# Altium PCB VNGS01 V1.32.PcbDoc (part 2 of 2)
Units mm, origin at the board's own origin, x right, y up, seen from the top; angles counter-clockwise.
Board outline 55.23 x 93.12 mm, 4 copper layers (Top Layer, Signal Layer 1, Signal Layer 2, Bottom Layer), stack 1.586 mm thick; 186 components, 119 nets, 588 pads, 369 vias.
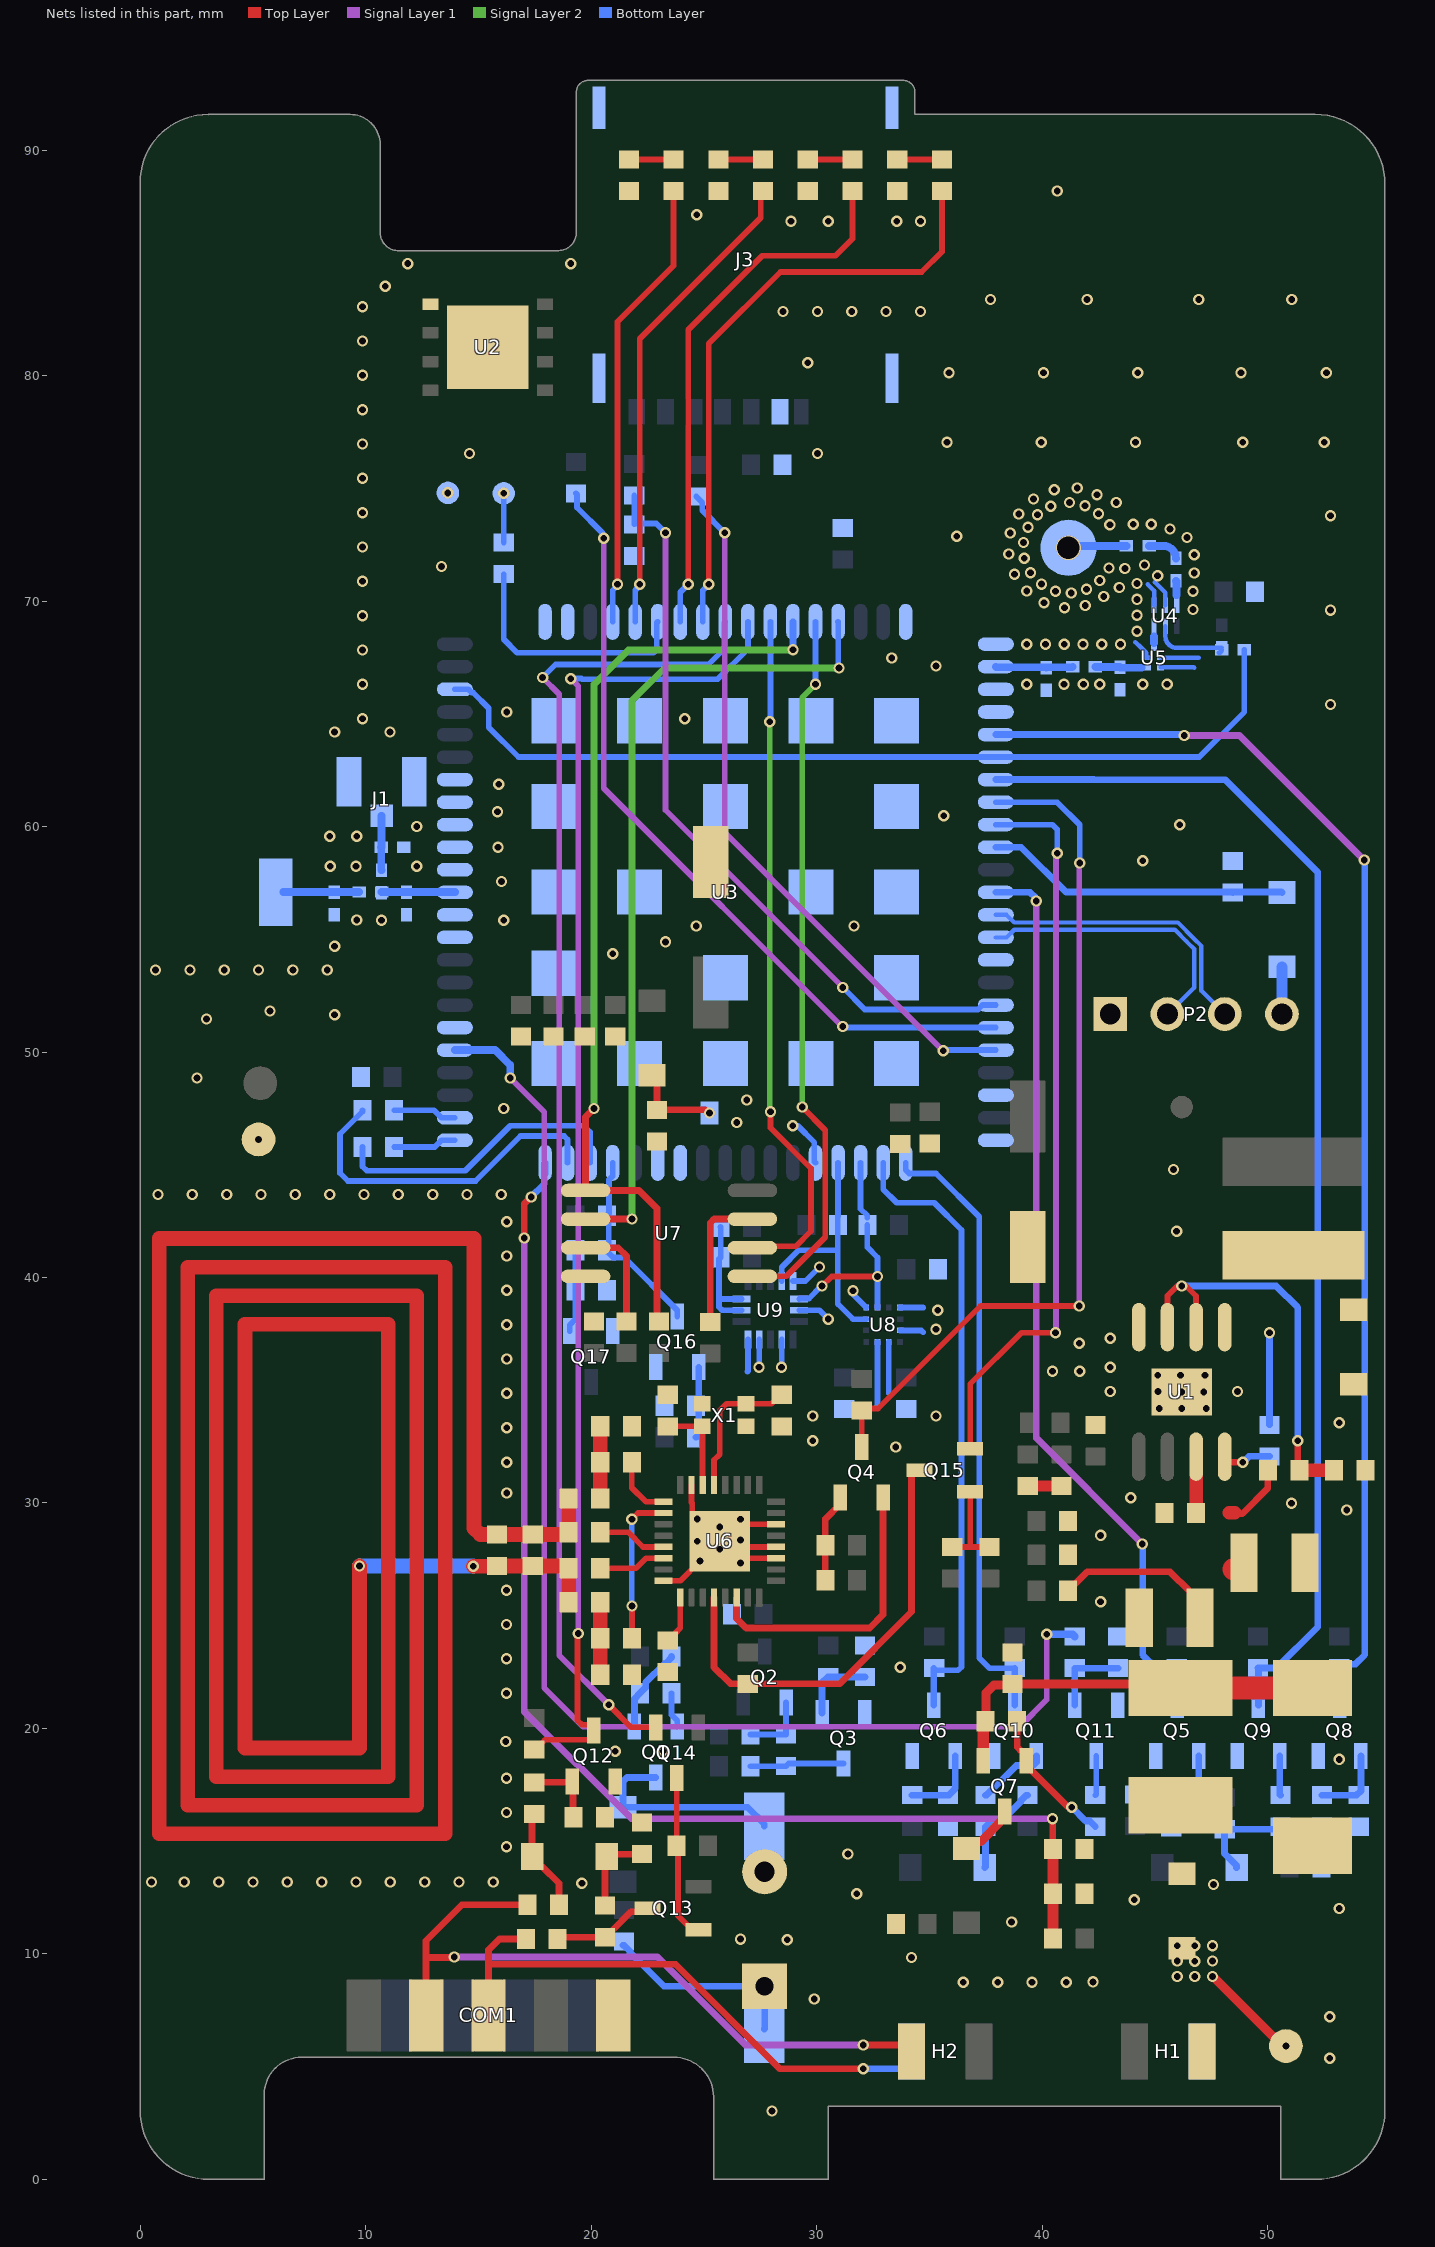
[diagram p4: the nets of this part, all layers, seen from the top]

## Via types
v1: diameter 0.5, hole 0.3, Top Layer to Bottom Layer, tented both sides, 368 vias
v2: diameter 0.5, hole 0.3, Top Layer to Bottom Layer, 1 vias

## Nets (pads, with @x,y where several pads share a name; then routed paths per layer and width w, separated by ;. In a path a pad name is that pad's centre, name@x,y a point inside that pad or via, vN(x,y) a via of type N, cw(c..) or ccw(c..) an arc to the next point about the centre after c; other vN are vias at no path point) (continued)
GND: C1.1 C3.1 C4.2 C6.1 C7.1 C9.1 C13.2 C14.1 C15.1 C16.1 C17.1 C18.1 C19.2 C20.1 C21.2 C22.1 C23.1 C25.1 C26.1 C27.2 C29.2 C30.1 C33.1 C34.2 C36.1 C39.2 C41.1 C42.1 C43.1 C44.1 C45.1 C46.1 C47.1 C48.1 C49.1 C50.1 C51.1 C54.2 COM1.5 D2.1 D3.1 D13.2 D14.2 D15.2 D16.2 GND2.0 GND.0 H1.4 J1.2 J3.5 J3.FR P2.1 Q1.2 Q3.2 Q5.2 Q6.2 Q8.2 Q9.2 Q10.2 Q11.2 Q12.2 Q16.2 Q17.2 R2.1 R10.1 R16.1 R19.1 R22.1 R37.1 R42.1 R43.1 R55.2 R59.1 R70.1 R72.1 R74.2 U1.8 U1.9 U2.1 U2.9 U3.1 U3.2 U3.17 U3.18 U3.29 U3.39 U3.45 U3.46 U3.54 U3.58 U3.59 U3.61 U3.62 U3.63 U3.64 U3.65 U3.69 U3.70 U3.71 U3.72 U3.73 U3.74 U3.75 U3.76 U3.77 U3.78 U3.79 U3.80 U3.81 U3.82 U3.83 U3.84 U3.85 U3.86 U3.87 U3.88 U3.89 U3.91 U3.92 U3.94 U4.1 U4.2 U5.2 U5.3 U5.5 U6.8 U6.19 U6.20 U6.22 U6.31 U6.33 U7.4 U8.1 U8.4 U8.6 U8.8 U8.9 U9.5 U9.7 U9.10 U9.12 U9.13 U9.15 U9.16 X1.2 X1.4 | length 45
  Top Layer w0.254: U6.8@23.2,26.55 23.954,26.55 v1(24.828,27.424) U6.33@25.702,28.299 ; U6.31@24.45,30.8 24.45,30.019 24.479,29.99 24.479,29.522 v1(24.708,29.293) U6.33@24.936,29.064 ; U6.33@24.962,29.09 25.702,28.351 U6.33@25.702,28.299 ; U6.19@28.2,27.55 26.45,27.55 U6.33@25.95,28.05 ; U6.20@28.2,28.05 U6.33@25.95,28.05 ; U6.22@28.2,29.05 26.453,29.05 U6.33@25.702,28.299 ; U6.33@25.702,28.299 U6.33@25.95,28.05
  Bottom Layer w0.2: 44.139,68.195 44.395,67.939 44.618,67.716 44.618,67.492 U5.5@44.681,67.492 ; 44.681,70.752 44.974,70.459 U4.1@44.974,69.828 ; 45.004,70.854 45.474,70.384 U4.2@45.474,69.828 ; U5.3@45.256,67.067 46.731,67.067 46.751,67.047 ; U5.2@45.256,67.492 46.961,67.492
  Bottom Layer w0.254: R19.1@23.565,21.56 23.565,20.599 23.815,20.349 Q1.2@23.815,20.074 ; C47.1@25.732,42.243 25.742,42.233 C48.1@25.742,40.9 25.665,40.823 25.665,39.071 ; U9.15@26.675,38.547 25.814,38.547 25.665,38.696 25.665,39.071 ; U9.16@26.675,39.048 25.688,39.048 25.665,39.071 ; 26.931,35.836 26.95,35.855 U9.13@26.95,37.247 ; v1(27.445,36.022) 27.45,36.027 U9.12@27.45,37.247 ; v1(28.446,36.022) 28.45,36.027 U9.10@28.45,37.247 ; v1(28.945,46.732) 29.162,46.732 29.899,45.994 29.899,45.141 U3.39@29.95,45.09 ; U9.5@28.95,39.848 29.5,39.848 v1(30.122,40.47) ; U9.7@29.225,38.547 30.122,38.547 v1(30.515,38.155) ; v1(31.61,39.415) 31.657,39.367 31.657,39.21 32.189,38.678 32.198,38.678 32.2,38.676 U8.1@32.2,38.667 ; 32.7,34.309 U8.9@32.7,37.142 ; 33.2,34.863 33.2,35.026 33.198,35.028 33.198,36.099 33.2,36.1 U8.8@33.2,37.142 ; U8.4@33.7,38.667 34.719,38.667 34.725,38.662 ; U8.6@33.712,37.655 34.642,37.655 34.725,37.572
  other v1: 28.018,3.027 52.768,5.364 52.768,7.204 29.898,7.997 36.509,8.739 38.032,8.739 39.555,8.739 41.078,8.739 42.258,8.752 34.212,9.832 28.699,10.623 26.626,10.649 38.65,11.408 53.187,12.009 44.093,12.397 31.784,12.658 47.61,13.067 19.585,13.128 0.486,13.188 1.948,13.182 3.471,13.182 4.994,13.182 6.518,13.182 8.041,13.182 9.564,13.182 11.087,13.182 12.61,13.182 14.133,13.182 15.656,13.182 31.386,14.429 16.237,14.745 16.237,16.268 16.237,17.791 53.187,18.623 21.067,18.988 23.2,18.988 16.208,19.418 16.237,21.56 33.709,22.708 16.237,23.083 16.237,24.606 42.599,25.612 16.237,26.129 26.626,27.338 25.702,27.95 24.708,28.299 26.626,28.351 42.599,28.561 25.702,28.936 26.626,29.275 53.517,29.684 51.072,29.99 43.94,30.233 16.256,30.442 16.256,31.8 33.512,32.483 29.828,32.757 16.256,33.34 53.187,33.556 29.828,33.858 35.296,33.858 45.201,34.187 46.2,34.187 47.281,34.187 16.256,34.863 46.2,34.925 47.178,34.925 43.025,34.941 45.143,34.941 48.668,34.941 45.133,35.666 46.14,35.666 47.225,35.666 40.467,35.845 41.671,35.845 43.025,36.022 16.256,36.386 41.656,37.082 43.025,37.309 35.296,37.704 16.256,37.909 35.375,38.552 16.256,39.433 16.256,40.956 45.971,42.058 16.256,42.479 0.781,43.681 2.304,43.681 3.827,43.681 5.35,43.681 6.873,43.681 8.397,43.681 9.92,43.681 11.443,43.681 12.966,43.681 14.489,43.681 16.012,43.681 45.835,44.793 5.24,46.125 26.453,46.878 16.118,47.5 26.902,47.873 2.513,48.848 2.929,51.473 8.615,51.654 5.744,51.825 0.671,53.645 2.194,53.645 3.717,53.645 5.24,53.645 6.763,53.645 8.287,53.645 20.95,54.361 8.615,54.701 23.29,54.892 24.663,55.6 31.657,55.6 9.596,55.86 10.7,55.846 16.118,55.846 16.015,57.574 8.424,58.244 9.559,58.244 12.257,58.244 44.472,58.488 15.863,59.092 8.395,59.582 9.596,59.582 12.263,60.011 46.107,60.089 35.641,60.492 15.842,60.665 15.895,61.89 8.615,64.205 11.069,64.205 9.855,64.795 24.146,64.795 16.256,65.09 52.801,65.426 9.855,66.318 39.32,66.32 40.977,66.32 41.834,66.32 42.565,66.32 44.472,66.32 45.55,66.32 35.296,67.127 33.33,67.482 9.855,67.841 39.32,68.1 40.152,68.1 40.983,68.1 41.815,68.1 42.646,68.1 43.478,68.1 44.209,68.676 9.855,69.364 44.209,69.382 52.801,69.61 46.701,69.637 40.994,69.714 41.915,69.814 40.089,69.94 44.209,70.087 42.735,70.212 41.297,70.367 40.601,70.447 39.32,70.457 46.701,70.447 41.976,70.536 43.431,70.615 39.977,70.764 44.209,70.793 9.855,70.887 42.561,70.92 45.128,71.138 38.775,71.206 46.751,71.258 39.493,71.269 43.675,71.455 42.976,71.484 13.357,71.546 44.55,71.607 39.215,71.912 46.751,72.069 38.521,72.104 9.855,72.41 39.18,72.611 46.433,72.83 36.211,72.885 38.587,73.028 45.678,73.206 39.377,73.283 43.009,73.394 44.046,73.416 44.85,73.416 52.801,73.795 39.797,73.843 38.966,73.874 42.507,73.881 9.855,73.934 40.386,74.221 41.907,74.243 41.222,74.386 43.289,74.384 39.618,74.541 42.44,74.726 13.639,74.812 40.545,74.947 41.565,75.023 9.855,75.457 14.601,76.563 30.034,76.563 9.855,76.98 35.78,77.054 39.965,77.054 44.149,77.054 48.901,77.054 52.518,77.054 9.855,78.503 9.855,80.026 35.877,80.138 40.061,80.138 44.246,80.138 48.827,80.138 52.615,80.138 29.61,80.581 9.855,81.549 28.511,82.855 30.034,82.855 31.557,82.855 33.081,82.855 34.604,82.855 9.855,83.072 37.709,83.387 42,83.387 46.953,83.387 51.083,83.387 10.864,83.978 11.857,84.983 19.096,84.983 28.86,86.866 30.513,86.866 33.55,86.866 34.604,86.862 24.676,87.15 40.67,88.2
GNSS_ANT: C54.1 R57.1 U5.4 | length 2.1
  Bottom Layer w0.345: R57.1@42.366,67.1 42.38,67.086 43.449,67.086 C54.1@43.463,67.072 43.478,67.057 44.423,67.057
GNSS_PWRCTRL: R7.1 U3.20 U3.98 | length 40.4
  Bottom Layer w0.254: U3.98@13.95,66.1 14.544,66.1 14.692,65.952 14.756,65.952 15.452,65.256 15.452,64.409 16.771,63.09 U3.20@37.95,63.09 46.977,63.09 48.977,65.09 48.977,67.85 R7.1@48.974,67.852
GNSS_VBKP: C20.2 D5.2 U3.116 | length 4.1
  Top Layer w0.3: D5.2@22.695,48.968 22.915,48.748 22.915,47.586 C20.2@23.058,47.443 ; C20.2@22.915,47.443 C20.2@23.058,47.443 ; v2(25.25,47.3) 25.196,47.3 25.053,47.443 C20.2@23.058,47.443
I2C_SCL: R34.1 U3.38 U8.12 U9.4 | length 11.1
  Bottom Layer w0.254: U9.4@28.45,39.848 28.45,40.46 29.206,41.216 30.942,41.216 ; R34.1@30.942,42.647 30.942,41.216 ; R34.1@30.95,42.705 U3.38@30.95,45.09 ; U8.12@32.187,38.155 31.61,38.155 30.942,38.823 30.942,41.216
I2C_SDA: R35.1 U3.37 U8.2 U9.6 | length 10.3
  Top Layer w0.254: v1(30.242,39.62) 30.673,40.051 v1(32.7,40.051)
  Bottom Layer w0.254: U9.6@29.225,39.048 29.248,39.071 29.659,39.071 30.209,39.62 v1(30.242,39.62) ; U3.37@31.95,45.09 31.95,43.047 32.25,42.747 R35.1@32.25,42.647 ; R35.1@32.25,42.329 32.25,41.343 32.7,40.893 v1(32.7,40.051) U8.2@32.7,38.667
LED_DRI: R67.2 U3.8 | length 27.2
  Top Layer w0.254: v1(25.215,70.758) 25.215,81.437 28.392,84.614 34.658,84.614 35.557,85.513 R67.2@35.557,88.2
  Bottom Layer w0.254: U3.8@24.95,69.09 24.95,70.486 25.215,70.752 v1(25.215,70.758)
LED_GPS: R66.2 U3.7 | length 24.2
  Top Layer w0.254: v1(24.305,70.758) 24.305,82.05 27.584,85.33 30.835,85.33 31.588,86.083 R66.2@31.588,88.2
  Bottom Layer w0.254: U3.7@23.95,69.09 23.95,70.403 v1(24.305,70.758)
LED_GSM: R64.2 U3.4 | length 20.2
  Top Layer w0.254: v1(21.167,70.758) 21.167,82.404 23.651,84.888 R64.2@23.651,88.2
  Bottom Layer w0.254: U3.4@20.95,69.09 20.95,70.486 21.167,70.704 v1(21.167,70.758)
LED_MEM: R65.2 U3.5 | length 21.5
  Top Layer w0.254: v1(22.15,70.758) 22.15,81.651 27.519,87.02 27.519,88.1 R65.2@27.62,88.2
  Bottom Layer w0.254: U3.5@21.95,69.09 21.95,70.491 22.15,70.692 v1(22.15,70.758)
MCU_DOOR: Q16.3 R62.1 R71.1 U3.48 | length 8.6
  Bottom Layer w0.254: U3.48@20.95,45.09 20.95,44.496 20.79,44.336 20.79,42.837 R62.1@20.7,42.747 20.776,42.67 20.776,41.293 R71.1@20.7,41.216 20.7,41.166 20.973,40.893 21.469,40.893 23.815,38.547 Q16.3@23.815,38.272
NetAT1_1: AT1.1 C26.2 R6.2 | length 3.4
  Bottom Layer w0.345: AT1.1@6.335,57.1 R6.2@9.7,57.1
NetAT2_1: AT2.1 C24.2 | length 2.6
  Bottom Layer w0.345: AT2.1@41.173,72.375 cw(c41.259,72.375) 41.259,72.461 C24.2@43.746,72.461
NetBOOT_0: BOOT.0 R9.1 | length 2.2
  Bottom Layer w0.254: R9.1@16.118,72.607 v1(16.118,74.791)
NetC2_1: C2.1 U1.4 | length 2.3
  Top Layer w0.3: U1.4@48.105,32.05 48.105,31.939 48.244,31.8 v1(48.901,31.8)
  Bottom Layer w0.3: v1(48.901,31.8) 48.909,31.8 49.177,32.068 C2.1@50.089,32.068
NetC2_2: C2.2 D3.2 L2.1 U1.5 | length 4.1
  Bottom Layer w0.3: C2.2@50.089,33.468 v1(50.089,37.553)
NetC5_2: C5.2 R8.2 | length 1.5
  Top Layer w0.5: C5.2@39.367,30.756 R8.2@40.859,30.756
NetC9_2: C9.2 J1.1 R76.2 | length 2.4
  Bottom Layer w0.345: C9.2@10.675,59.092 10.688,59.08 10.688,58.086 R76.2@10.7,58.074 ; C9.2@10.7,59.092 J1.1@10.7,60.492
NetC10_1: C10.1 Q2.1 R24.2 | length 3
  Bottom Layer w0.254: C10.1@27.065,19.724 R24.2@28.645,19.724 Q2.1@28.645,21.15
NetC11_1: C11.1 Q4.1 R18.1 | length 3.9
  Top Layer w0.3: R18.1@30.384,26.574 C11.1@30.384,28.118 30.384,29.293 31.049,29.958 Q4.1@31.049,30.233
NetC12_1: C12.1 Q15.1 R32.1 | length 4.1
  Top Layer w0.254: R32.1@36.023,28.047 36.848,28.047 ; Q15.1@36.809,30.506 36.809,28.085 36.848,28.047 ; C12.1@37.674,28.047 36.848,28.047
NetC18_2: C18.2 D12.1 R69.1 | length 3.8
  Top Layer w0.3: R69.1@20.606,12.132 20.606,14.245 D12.1@20.679,14.318 20.776,14.415 C18.2@22.25,14.415
NetC24_1: C24.1 L4.2 | length 1.5
  Bottom Layer w0.345: C24.1@44.746,72.461 45.385,72.461 cw(c45.385,71.903) L4.2@45.943,71.903
NetC27_1: C27.1 R57.2 U3.90 | length 3.5
  Bottom Layer w0.345: U3.90@37.95,67.1 37.975,67.075 40.16,67.075 C27.1@40.185,67.049 40.211,67.075 41.34,67.075 R57.2@41.366,67.1
NetC34_1: C34.1 U6.9 | length 2.2
  Top Layer w0.254: C34.1@23.4,23.9 23.45,23.9 23.723,24.173 23.723,24.223 23.95,24.45 U6.9@23.95,25.8
NetC35_1: C35.1 C36.2 R26.2 | length 3.2
  Top Layer w0.65: C36.2@20.4,22.375 R26.2@20.4,24 C35.1@20.4,25.6
NetC35_2: C35.2 C37.1 C37.2 C38.1 C38.2 C40.2 R25.2 R28.2 | length 273.7
  Top Layer w0.65: v1(9.717,27.201) 9.717,19.126 4.637,19.126 4.637,37.922 10.987,37.922 10.987,17.856 3.367,17.856 3.367,39.192 12.257,39.192 12.257,16.586 2.097,16.586 2.097,40.462 13.527,40.462 13.527,15.316 0.827,15.316 0.827,41.732 14.797,41.732 14.797,28.877 15.072,28.602 C37.1@17.398,28.602 ; v1(14.767,27.187) C38.1@15.806,27.187 ; 15.064,28.606 15.069,28.6 ; C38.1@15.819,27.2 C38.1@15.806,27.187 ; C38.2@15.819,28.602 C37.1@17.398,28.602 ; C37.1@17.4,28.6 C37.1@17.398,28.602 ; C35.2@19,25.6 R25.2@19,27.1 19,27.125 18.925,27.2 C37.2@17.4,27.2 15.806,27.2 C38.1@15.806,27.187 ; C40.2@19,30.2 R28.2@19,28.7 19,28.677 18.925,28.602 C37.1@17.398,28.602
  Bottom Layer w0.65: v1(9.717,27.201) 14.753,27.201 v1(14.767,27.187)
NetC39_1: C39.1 C40.1 R27.2 | length 3.2
  Top Layer w0.65: C40.1@20.4,30.2 C39.1@20.4,33.4
NetC41_2: C41.2 U6.29 X1.1 | length 6.4
  Top Layer w0.254: U6.29@25.45,30.8 25.45,31.903 25.702,32.155 25.702,34.098 26.004,34.4 X1.1@26.875,34.4 27.997,34.4 28.397,34.8 C41.2@28.447,34.8
NetC42_2: C42.2 U6.30 X1.3 | length 4.1
  Top Layer w0.254: C42.2@23.4,33.4 X1.3@24.925,33.4 24.937,33.388 24.937,30.812 U6.30@24.95,30.8
NetD1_2: D1.2 F1.1
NetD4_1: D4.1 Q7.3 | length 2.5
  Top Layer w0.4: D4.1@36.65,14.669 36.95,14.969 37.272,14.969 38.24,15.938 38.34,16.038 Q7.3@38.34,16.313
NetD6_1: D6.1 P2.4 | length 2.1
  Bottom Layer w0.5: P2.4@50.645,51.69 D6.1@50.645,53.779
NetD7_1: D7.1 LS1.2 LS2.2 Q1.3 | length 9.3
  Bottom Layer w0.3: Q1.3@22.865,17.824 21.584,17.824 21.408,17.648 D7.1@21.408,16.498 26.931,16.498 27.681,15.748 LS1.2@27.681,15.663
NetD9_1: D9.1 R47.1 R52.1 | length 4.5
  Bottom Layer w0.3: D9.1@48.63,13.82 48.63,13.92 48.28,14.27 48.276,14.27 48.1,14.446 R47.1@48.1,15.523 50.47,15.523 R52.1@50.581,15.634
NetD10_1: D10.1 R48.1 R53.1 | length 4.3
  Bottom Layer w0.3: D10.1@37.462,13.83 37.493,13.861 R53.1@37.493,15.634 37.708,15.848 38.165,15.848 39.051,16.734 39.051,16.784 39.301,17.034 R48.1@39.351,17.034
NetD12_2: D12.2 R61.1 R73.1 | length 4.6
  Top Layer w0.3: R61.1@17.466,16.204 17.375,16.113 17.375,14.218 17.725,13.868 17.825,13.868 18.565,13.128 R73.1@18.565,12.175
NetD13_1: D13.1 R64.1 | length 2
  Top Layer w0.254: D13.1@21.673,89.6 R64.1@23.651,89.6
NetD14_1: D14.1 R65.1 | length 2
  Top Layer w0.254: D14.1@25.642,89.6 R65.1@27.62,89.6
NetD15_1: D15.1 R66.1 | length 2
  Top Layer w0.254: D15.1@29.61,89.6 R66.1@31.588,89.6
NetD16_1: D16.1 R67.1 | length 2
  Top Layer w0.254: D16.1@33.579,89.6 R67.1@35.557,89.6
NetL4_1: L4.1 U4.3 | length 0.6
  Bottom Layer w0.345: L4.1@45.943,70.903 45.962,70.884 45.962,70.273
NetLS1_1: LS1.1 LS2.1 R11.2 | length 9
  Bottom Layer w0.3: R11.2@21.408,10.372 21.458,10.372 21.708,10.122 21.708,10.072 23.223,8.557 LS2.1@27.695,8.557 27.695,6.677 LS1.1@27.681,6.663
NetQ1_1: Q1.1 R15.2 R19.2 | length 3.8
  Bottom Layer w0.3: Q1.1@21.915,20.074 21.915,21.31 R19.2@22.165,21.56 22.415,21.81 22.415,22.037 23.265,22.887 23.315,22.887 23.565,23.137 R15.2@23.565,23.187
NetQ3_1: Q3.1 R21.2 R22.2 | length 3.3
  Bottom Layer w0.3: Q3.1@30.242,20.686 30.242,22.025 30.492,22.275 R22.2@32.142,22.275
NetQ3_3: Q3.3 R23.1 R24.1 | length 4.2
  Bottom Layer w0.254: R23.1@27.065,18.324 R24.1@28.645,18.324 28.757,18.436 Q3.3@31.192,18.436
NetQ5_1: Q5.1 R40.2 R42.2 | length 4.7
  Bottom Layer w0.3: R40.2@44.123,17.06 45.851,17.06 R42.2@45.783,16.992 ; R42.2@45.733,16.992 R42.2@45.783,16.992 ; Q5.1@46.95,18.776 46.95,17.178 46.764,16.992 R42.2@45.783,16.992
NetQ6_1: Q6.1 R41.2 R43.2 | length 3.5
  Bottom Layer w0.3: R41.2@34.236,17.034 R43.2@35.825,17.034 35.875,17.034 36.125,17.284 36.125,17.334 36.15,17.359 Q6.1@36.15,18.776
NetQ7_1: Q7.1 R49.1 R54.2 | length 6.4
  Top Layer w0.3: R49.1@38.899,20.312 38.899,19.163 39.075,18.988 39.14,18.988 39.29,18.838 39.29,18.288 39.44,18.138 39.528,18.138 41.129,16.536 41.284,16.536 v1(41.322,16.498)
  Bottom Layer w0.3: v1(41.322,16.498) 41.936,15.884 42.115,15.884 R54.2@42.365,15.634
NetQ8_1: Q8.1 R50.1 R55.1 | length 3.4
  Bottom Layer w0.3: R50.1@52.416,17.034 53.96,17.034 54.15,17.224 Q8.1@54.15,18.776
NetQ9_1: Q9.1 R52.2 | length 1.8
  Bottom Layer w0.3: Q9.1@50.55,18.776 50.55,17.065 R52.2@50.581,17.034
NetQ10_1: Q10.1 R53.2 | length 3.1
  Bottom Layer w0.3: R53.2@37.493,17.034 37.543,17.034 38.86,18.351 39.6,18.351 39.75,18.501 Q10.1@39.75,18.776
NetQ11_1: Q11.1 R56.2 R59.2 | length 3.6
  Bottom Layer w0.3: Q11.1@41.45,21.026 R56.2@41.45,22.67 R59.2@43.37,22.67
NetQ11_3: Q11.3 R54.1 | length 1.8
  Bottom Layer w0.254: R54.1@42.365,17.034 42.4,17.069 Q11.3@42.4,18.776
NetQ12_1: Q12.1 R61.2 R74.1 | length 3.3
  Top Layer w0.3: R61.2@17.466,17.604 19.122,17.604 Q12.1@19.167,17.649 19.187,17.629 19.187,16.074 R74.1@19.206,16.054
NetQ13_1: Q13.1 Q14.3 R75.1 | length 7.3
  Top Layer w0.254: Q14.3@23.804,17.794 23.791,17.781 23.791,14.801 R75.1@23.779,14.789 23.852,14.716 23.852,11.682 24.295,11.239 24.581,11.239 Q13.1@24.754,11.066
NetQ13_3: Q13.3 R68.1 R69.2 | length 4.6
  Top Layer w0.3: R68.1@18.504,10.657 18.579,10.732 20.656,10.732 20.906,10.982 20.906,10.999 21.773,11.866 22.354,11.866 Q13.3@22.504,12.016
NetQ16_1: Q16.1 R63.2 R70.2 | length 3.2
  Bottom Layer w0.3: R63.2@24.65,32.909 24.765,33.024 Q16.1@24.765,36.022
NetQ17_1: Q17.1 R71.2 R72.2 | length 3.7
  Bottom Layer w0.254: Q17.1@19.05,37.621 19.05,37.896 19.3,38.146 R72.2@19.3,39.433 R71.2@19.3,41.216
NetR1_1: R1.1 R2.2 U1.6 U1.7 | length 18.7
  Top Layer w0.254: U1.7@45.565,37.8 45.565,39.189 45.996,39.62 v1(46.194,39.62) 46.392,39.62 46.835,39.178 U1.6@46.835,37.8
  Top Layer w0.3: v1(51.348,32.757) 51.348,31.526 R1.1@51.418,31.456
  Top Layer w0.6: R1.1@51.418,31.456 R2.2@52.943,31.456
  Bottom Layer w0.3: v1(46.194,39.62) 50.389,39.62 51.348,38.662 v1(51.348,32.757)
NetR4_1: R4.1 U3.96 | length 2.8
  Bottom Layer w0.254: R4.1@11.255,47.419 13.028,47.419 13.357,47.09 U3.96@13.95,47.09
NetR5_1: R5.1 U3.95 | length 2.8
  Bottom Layer w0.254: R5.1@11.255,45.794 13.06,45.794 13.357,46.09 U3.95@13.95,46.09
NetR7_2: R7.2 R58.2 U4.5 | length 3.5
  Bottom Layer w0.2: U4.5@45.474,68.898 45.474,68.439 ccw(c45.974,68.439) 45.974,67.939 R58.2@47.974,67.939 ; R58.2@47.835,67.713 ccw(c47.835,67.852) R7.2@47.974,67.852
NetR25_1: R25.1 U6.6 | length 3
  Top Layer w0.254: R25.1@20.4,27.1 21.985,27.1 22.435,27.55 U6.6@23.2,27.55
NetR26_1: R26.1 U6.2 | length 6.8
  Top Layer w0.254: R26.1@21.8,24 21.809,24.009 v1(21.809,25.425) ; v1(21.803,29.274) 21.802,29.275 21.8,29.275 22.075,29.55 U6.2@23.2,29.55
  Bottom Layer w0.254: v1(21.803,29.274) 21.803,25.458 21.792,25.447 21.792,25.441 v1(21.809,25.425)
NetR27_1: R27.1 U6.1 | length 2.8
  Top Layer w0.254: R27.1@21.8,31.8 21.8,30.675 22.425,30.05 U6.1@23.2,30.05
NetR28_1: R28.1 U6.5 | length 3.1
  Top Layer w0.254: R28.1@20.4,28.7 21.65,28.7 22.3,28.05 U6.5@23.2,28.05
NetR29_1: R29.1 U7.3 | length 4.9
  Top Layer w0.3: U7.3@19.748,41.323 21.197,41.323 21.564,40.956 R29.1@21.564,38.047
NetR31_1: R31.1 U7.7 | length 6.3
  Top Layer w0.3: R31.1@25.279,38.033 25.279,42.417 25.455,42.593 U7.7@27.148,42.593
NetR50_2: R50.2 R51.1 | length 1.8
  Bottom Layer w0.3: R51.1@52.389,13.83 52.389,15.606 R50.2@52.416,15.634
NetU4_6: U4.6 U5.1 | length 0.3
  Bottom Layer w0.345: 44.968,68.15 44.968,68.441
OMCU_ACC: Q8.3 R44.1 U3.19 | length 56.9
  Signal Layer 1 w0.3: v1(46.314,64.051) 48.762,64.051 v1(54.291,58.522)
  Bottom Layer w0.3: U3.19@37.95,64.09 46.275,64.09 v1(46.314,64.051) ; Q8.3@53.2,21.026 53.187,21.038 R44.1@53.187,22.675 53.359,22.847 53.902,22.847 54.317,23.261 54.317,58.496 v1(54.291,58.522)
OMCU_ADC_5V: C49.2 R36.1 R37.2 U3.51 | length 56
  Top Layer w0.3: v1(17.025,41.75) 17.025,43.265 v1(17.336,43.576) ; v1(40.467,15.992) 40.48,15.979 C49.2@40.48,14.643
  Top Layer w0.5: C49.2@40.48,14.643 40.487,14.636 40.487,10.681 R36.1@40.495,10.673
  Signal Layer 1 w0.3: v1(17.025,41.75) 17.025,20.746 21.779,15.992 v1(40.467,15.992)
  Bottom Layer w0.3: v1(17.336,43.576) 17.92,44.16 17.92,45.06 U3.51@17.95,45.09 U3.51@17.95,44.59
OMCU_ALT1.1: Q9.3 R45.1 U3.21 | length 54.5
  Bottom Layer w0.3: U3.21@37.95,62.09 42.3,62.09 42.301,62.089 48.121,62.089 52.234,57.976 52.234,24.508 50.401,22.675 R45.1@49.58,22.675 ; Q9.3@49.6,21.026 R45.1@49.6,22.655
OMCU_ALT1.2: Q5.3 R38.1 U3.26 | length 40.8
  Signal Layer 1 w0.3: v1(39.746,56.71) 39.746,32.881 v1(44.445,28.182)
  Bottom Layer w0.3: U3.26@37.95,57.09 39.47,57.09 39.708,56.853 39.708,56.748 v1(39.746,56.71) ; v1@44.464,28.137 44.464,23.261 45.05,22.675 R38.1@45.97,22.675 45.97,21.055 Q5.3@46,21.026
OMCU_ALT2.1: Q10.3 R46.1 U3.35 | length 27.4
  Bottom Layer w0.254: U3.35@33.95,45.09 33.95,44.772 34.11,44.612 35.296,44.612 37.212,42.697 37.212,23.123 37.665,22.67 R46.1@38.79,22.67
  Bottom Layer w0.3: Q10.3@38.79,21.036 R46.1@38.79,22.67
OMCU_ALT2.2: Q6.3 R39.1 U3.36 | length 27.7
  Bottom Layer w0.254: U3.36@32.95,45.09 32.95,43.916 33.55,43.316 35.217,43.316 36.424,42.109 36.424,22.723 36.275,22.574 35.284,22.574 R39.1@35.2,22.658
  Bottom Layer w0.3: Q6.3@35.2,21.026 R39.1@35.2,22.658
OMCU_PWR_SS: R56.1 U3.53 | length 58.7
  Signal Layer 1 w0.254: v1(16.405,48.848) 17.913,47.34 17.913,21.789 19.63,20.072 39.008,20.072 40.21,21.274 v1(40.21,24.173)
  Bottom Layer w0.35: U3.53@13.95,50.09 15.737,50.09 16.405,49.422 v1(16.405,48.848) ; v1(40.21,24.173) 41.347,24.173 R56.1@41.45,24.07
OMCU_RXD1: Q12.3 R60.1 U3.10 | length 60.1
  Top Layer w0.254: R60.1@17.466,19.058 17.516,19.058 17.946,19.488 19.944,19.488 20.117,19.661 20.117,19.983 19.944,20.156 19.585,20.156 19.394,20.347 19.394,24.174 v1(19.423,24.203)
  Signal Layer 1 w0.254: v1(19.096,66.564) 19.423,66.238 v1(19.423,24.203)
  Bottom Layer w0.254: v1(19.096,66.564) 19.104,66.572 19.563,66.572 19.586,66.549 25.609,66.549 26.95,67.89 U3.10@26.95,69.09
OMCU_RXD2: Q4.3 R20.1 U3.22 | length 38.7
  Top Layer w0.254: Q4.3@31.999,32.483 R20.1@31.999,34.1 32.088,34.187 32.723,34.187 37.273,38.737 v1(41.656,38.737)
  Signal Layer 1 w0.254: v1(41.656,38.737) 41.656,58.379 v1(41.671,58.394)
  Bottom Layer w0.254: U3.22@37.95,61.09 40.67,61.09 41.671,60.089 v1(41.671,58.394)
OMCU_TXD1: Q14.2 U3.9 | length 59.1
  Top Layer w0.254: v1(20.776,21.043) 21.775,20.044 Q14.2@22.854,20.044
  Signal Layer 1 w0.254: v1(17.843,66.619) 18.585,65.877 18.585,23.234 v1(20.776,21.043)
  Bottom Layer w0.254: v1(17.843,66.619) 18.42,67.196 25.196,67.196 25.909,67.909 25.909,69.049 U3.9@25.95,69.09
OMCU_TXD2: Q15.2 U3.23 | length 32.8
  Top Layer w0.254: Q15.2@36.809,32.406 36.809,35.272 39.09,37.553 v1(40.598,37.553)
  Signal Layer 1 w0.254: v1(40.598,37.553) 40.622,37.577 40.622,58.707 40.67,58.755 v1(40.67,58.822)
  Bottom Layer w0.254: U3.23@37.95,60.09 40.468,60.09 40.67,59.888 v1(40.67,58.822) ; v1(40.598,37.553) v1@40.617,37.572
RF_ANT: C25.2 R6.1 R76.1 U3.60 | length 3.3
  Bottom Layer w0.345: R6.1@10.7,57.1 13.95,57.1 U3.60@13.95,57.09
RS232_RX1: COM1.2 H2.2 R73.2 | length 31.8
  Top Layer w0.3: COM1.2@12.673,7.265 12.673,9.832 ; v1(13.923,9.856) 13.899,9.832 12.673,9.832 ; R73.2@17.165,12.175 14.27,12.175 12.673,10.578 12.673,9.832 ; v1(32.068,5.954) 33.922,5.954 H2.2@34.212,5.664
  Signal Layer 1 w0.3: v1(13.923,9.856) 22.935,9.856 26.837,5.954 v1(32.068,5.954)
RS232_TX1: COM1.3 H2.1 R68.2 | length 26
  Top Layer w0.3: COM1.3@15.443,7.265 15.443,9.533 ; R68.2@17.104,10.657 15.927,10.657 15.443,10.173 15.443,9.533 ; v1(32.068,4.894) 28.375,4.894 23.736,9.533 15.443,9.533
  Bottom Layer w0.3: v1(32.068,4.894) 33.762,4.894 34.212,5.344 H2.1@34.212,5.664
SIM_CLK: R14.1 U3.32 | length 35.4
  Signal Layer 1 w0.254: v1(20.555,72.798) 20.555,61.709 31.124,51.14 v1(31.163,51.14)
  Bottom Layer w0.254: R14.1@19.32,74.791 19.367,74.745 19.367,74.159 20.508,73.018 20.508,72.845 v1(20.555,72.798) ; v1(31.163,51.14) 31.23,51.14 31.28,51.09 U3.32@37.95,51.09
SIM_DATA: C23.2 R17.1 U3.31 | length 33.6
  Signal Layer 1 w0.254: v1(23.29,73.045) 23.29,60.736 v1(31.163,52.863)
  Bottom Layer w0.254: R17.1@21.914,74.694 C23.2@21.914,73.416 21.952,73.454 22.881,73.454 v1(23.29,73.045) ; v1(31.163,52.863) 32.131,51.895 37.161,51.895 37.356,52.09 U3.31@37.95,52.09
SIM_RST: R13.1 U3.33 | length 31.5
  Signal Layer 1 w0.254: v1(25.919,73.045) 25.919,59.754 v1(35.612,50.061)
  Bottom Layer w0.254: R13.1@24.663,74.654 24.927,74.39 24.927,74.037 v1(25.919,73.045) ; v1(35.612,50.061) 35.641,50.09 U3.33@37.95,50.09
SPI_CLK: U3.11 U7.6 | length 30.7
  Top Layer w0.254: U7.6@27.148,41.323 27.214,41.389 29.081,41.389 29.75,42.058 29.75,44.844 27.949,46.645 v1(27.949,47.355)
  Signal Layer 2 w0.254: v1(27.921,64.658) 27.921,47.383 v1(27.949,47.355)
  Bottom Layer w0.254: v1(27.921,64.658) 27.95,64.687 U3.11@27.95,69.09
SPI_CS: R30.1 U3.12 U7.1 | length 41.7
  Top Layer w0.3: v1(20.121,47.5) 19.748,47.127 U7.1@19.748,43.863 22.123,43.863 22.915,43.071 R30.1@22.915,38.13
  Signal Layer 2 w0.3: v1(20.121,47.5) 20.121,66.318 21.644,67.841 28.939,67.841 v1(28.95,67.852)
  Bottom Layer w0.3: v1(28.95,67.852) U3.12@28.95,69.09
SPI_MISO: U3.14 U7.2 | length 36.9
  Top Layer w0.3: U7.2@19.748,42.593 v1(21.809,42.593)
  Signal Layer 2 w0.3: v1(21.809,42.593) 21.809,65.594 23.262,67.047 v1(30.989,67.047)
  Bottom Layer w0.254: U3.14@30.95,69.09 30.964,69.076 30.964,67.072 v1(30.989,67.047)
SPI_MOSI: U3.13 U7.5 | length 31.9
  Top Layer w0.254: U7.5@27.148,40.053 28.65,40.053 30.384,41.788 30.384,46.539 v1(29.362,47.561)
  Signal Layer 2 w0.254: v1(29.362,47.561) 29.362,65.732 v1(29.948,66.318)
  Bottom Layer w0.254: v1(29.948,66.318) 29.95,66.32 U3.13@29.95,69.09
UART3_RXD: R5.2 U3.49 | length 13.3
  Bottom Layer w0.254: R5.2@9.855,45.794 9.855,44.928 10.046,44.737 14.409,44.737 16.404,46.732 19.675,46.732 19.95,46.457 U3.49@19.95,45.09
UART3_TXD: R4.2 U3.50 | length 15.4
  Bottom Layer w0.254: R4.2@9.855,47.419 9.855,47.369 8.854,46.368 8.854,44.632 9.203,44.283 14.871,44.283 16.866,46.278 18.797,46.278 18.95,46.125 U3.50@18.95,45.09
UART_RX2: Q15.3 R33.1 U6.12 | length 20
  Top Layer w0.3: U6.12@25.45,25.8 25.45,22.708 26.175,21.982 26.942,21.982 R33.1@26.949,21.975 31.014,21.975 34.212,25.173 34.212,31.306 34.362,31.456 Q15.3@34.559,31.456
UART_TX2: Q4.2 U6.14 | length 13
  Top Layer w0.3: U6.14@26.45,25.8 26.45,24.875 26.875,24.45 32.355,24.45 32.949,25.044 Q4.2@32.949,30.233
USB_BOOT: R9.2 U3.6 | length 11.2
  Bottom Layer w0.254: R9.2@16.118,71.207 16.118,68.315 16.72,67.713 22.758,67.713 22.906,67.862 22.906,69.047 U3.6@22.95,69.09
USB_N: P2.2 U3.28 | length 12.7
  Bottom Layer w0.191: U3.28@37.95,55.09 38.425,55.09 38.766,55.431 45.894,55.431 46.433,54.892 46.751,54.574 46.751,52.863 45.577,51.69 P2.2@45.565,51.69
USB_P: P2.3 U3.27 | length 13.1
  Bottom Layer w0.191: U3.27@37.95,56.09 38.425,56.09 38.766,55.749 46.026,55.749 46.751,55.024 47.069,54.706 47.069,52.726 P2.3@48.105,51.69
V_CHECK: C1.2 C3.2 L1.2 R1.2 R12.2 U1.3 | length 13.6
  Top Layer w0.3: R12.2@41.16,26.101 41.16,26.151 41.41,26.401 41.46,26.401 42.003,26.944 45.681,26.944 46.563,26.062 47.013,25.612 L1.2@47.013,24.912 ; 48.747,29.522 48.885,29.522 50.018,30.654 R1.2@50.018,31.456
  Top Layer w0.6: U1.3@46.835,32.05 46.835,29.555 C3.2@46.84,29.55 ; 48.3,29.555 48.54,29.555 ; C1.2@48.978,27.057 49.178,26.857 C1.2@49.202,26.857
  Top Layer w1: C1.2@48.498,27.057 C1.2@48.978,27.057
V_CUTOFF: C50.2 D2.2 F1.2 L1.1 Q7.2 R49.2 | length 17.9
  Top Layer w0.4: R49.2@37.44,20.303 37.474,20.337 37.507,20.369 37.507,21.56 37.87,21.923 38.65,21.923 C50.2@38.686,21.959 45.971,21.959 F1.2@46.14,21.79
  Top Layer w0.5: Q7.2@37.44,18.613 Q7.2@37.39,18.563 37.39,20.253 R49.2@37.44,20.303 ; R49.2@37.468,20.343 37.474,20.337 R49.2@37.499,20.312
  Top Layer w1: F1.2@46.14,21.79 D2.2@52,21.79
VBUS: C22.2 D6.2 U3.24 | length 13.5
  Bottom Layer w0.3: U3.24@37.95,59.09 39.075,59.09 41.064,57.101 48.451,57.101 C22.2@48.464,57.088 48.477,57.101 50.628,57.101 D6.2@50.645,57.083
VIN: D1.1 H1.3 VIN.0 | length 4.5
  Top Layer w0.4: v1(47.56,8.987) 47.587,8.987 50.671,5.904 v1(50.819,5.904)
  other v1: 46,8.987 46.78,8.987 46,9.673 46.78,9.672 47.56,9.673 46,10.358 46.78,10.358 47.56,10.358
pads on no net: COM1.1 COM1.4 COM1.6 COM1.7 COM1.8 COM1.9 J3.6 J3.CD U1.2 U2.2 U2.4 U2.5 U3.3 U3.16 U3.34 U3.40 U3.41 U3.42 U3.43 U3.52 U3.66 U3.67 U3.68 U3.93 U3.100 U6.3 U6.4 U6.7 U6.10 U6.11 U6.15 U6.16 U6.17 U6.18 U6.23 U6.24 U6.25 U6.26 U6.27 U6.28 U8.5 U9.2 U9.3 U9.9 U9.11
copper on no net:
  other v1: 2.513,45.455

## Polygon pours and split planes (outlines as drawn)
GND on Top Layer "TOP GND" (solid, remove dead copper, pour order 8): 3.048,-0.013 5.48,-0.013 ccw(c5.48,0) 5.493,0 5.493,3.752 ccw(c5.48,3.752) 5.492,3.756 ccw(c5.48,3.76) 5.493,3.76 cw(c7.148,3.752) 7.148,5.407 cw(c7.148,3.752) 7.18,5.407 ccw(c7.18,5.42) 7.183,5.407 23.627,5.407 ccw(c23.63,5.42) 23.63,5.407 cw(c23.665,3.644) 23.665,5.407 cw(c23.665,3.644) 25.427,3.653 cw(c23.665,3.644) 25.427,3.653 25.427,0 ccw(c25.44,0) 25.44,-0.013 30.505,-0.013 ccw(c30.505,0) 30.518,0 30.518,3.238 50.584,3.238 50.584,0 ccw(c50.597,0) 50.597,-0.013 52.152,-0.013 cw(c52.152,0) 52.152,-0.013 ccw(c52.152,3.048) 55.213,3.048 55.213,88.515 ccw(c55.2,88.515) 55.213,88.515 ccw(c55.2,88.515) 55.213,88.515 ccw(c52.126,88.515) 52.126,91.602 ccw(c52.126,91.589) 52.126,91.602 ccw(c52.126,91.589) 52.126,91.602 34.359,91.602 34.359,92.591 ccw(c34.346,92.594) 34.359,92.594 ccw(c33.846,92.597) 34.359,92.597 ccw(c33.846,92.597) 33.848,93.11 ccw(c33.848,93.097) 33.845,93.11 19.855,93.11 ccw(c19.853,93.097) 19.853,93.11 ccw(c19.855,92.597) 19.342,92.597 ccw(c19.355,92.594) 19.342,92.594 19.342,86.311 ccw(c18.529,86.374) 19.342,86.312 19.342,86.311 cw(c18.529,86.374) 18.566,85.56 cw(c18.529,86.374) 18.566,85.56 11.386,85.56 cw(c11.45,86.373) 10.635,86.336 ccw(c10.622,86.336) 10.635,86.338 ccw(c10.622,86.339) 10.635,86.339 10.635,90.253 ccw(c10.622,90.253) 10.635,90.254 ccw(c9.294,90.26) 10.635,90.26 ccw(c9.294,90.26) 9.299,91.602 ccw(c9.299,91.589) 9.299,91.602 3.021,91.602 ccw(c3.021,91.589) 3.01,91.597 ccw(c3,91.589) 3,91.602 ccw(c3,88.589) -0.013,88.589 ccw(c0,88.589) -0.013,88.588 -0.013,3.048 cw(c0,3.048) -0.013,3.048 cw(c0,3.048) -0.013,3.048 ccw(c3.048,3.048)
no net on Top Layer "NONET_L01_P009" (solid, pour order 9): 49.427,43.773 49.427,44.899 49.076,45.25 49.076,45.546
no net on Top Layer "NONET_L01_P016" (solid, pour order 16): 44.7,24.654 44.7,22.675 47.293,22.675 47.293,24.075
GND on Bottom Layer "Bottom Layer-GND" (solid, pour order 19): 156 vertices, not listed, extent 38.203,69.401 45.759,75.349
GND on Bottom Layer "Bottom Layer-GND 1" (solid, pour order 17): 41.18,73.747 41.188,73.749 41.514,73.706 41.527,73.698 41.543,73.698 41.847,73.572 41.858,73.561 41.873,73.557 42.134,73.357 42.141,73.343 42.155,73.336 42.355,73.075 42.359,73.06 42.37,73.049 42.493,72.751 43.349,72.751 43.365,72.792 43.446,72.825 44.046,72.825 44.126,72.792 44.16,72.711 44.16,72.211 44.126,72.131 44.046,72.097 43.446,72.097 43.365,72.131 43.349,72.171 42.522,72.171 42.504,72.034 42.496,72.021 42.496,72.005 42.37,71.701 42.359,71.69 42.355,71.675 42.155,71.414 42.141,71.407 42.134,71.393 41.873,71.193 41.858,71.189 41.847,71.178 41.543,71.052 41.527,71.052 41.514,71.044 41.188,71.001 41.18,71.003 41.173,71 41.166,71.003 41.158,71.001 40.832,71.044 40.819,71.052 40.803,71.052 40.499,71.178 40.488,71.189 40.473,71.193 40.212,71.393 40.205,71.407 40.191,71.414 39.991,71.675 39.987,71.69 39.976,71.701 39.85,72.005 39.85,72.021 39.842,72.034 39.799,72.36 39.803,72.375 39.799,72.39 39.842,72.716 39.85,72.729 39.85,72.745 39.976,73.049 39.987,73.06 39.991,73.075 40.191,73.336 40.205,73.343 40.212,73.357 40.473,73.557 40.488,73.561 40.499,73.572 40.803,73.698 40.819,73.698 40.832,73.706 41.158,73.749 41.166,73.747 41.173,73.75
GND on Bottom Layer "BOT GND" (solid, remove dead copper, pour order 7): 3.048,-0.013 5.48,-0.013 ccw(c5.48,0) 5.493,0 5.493,3.752 ccw(c5.48,3.752) 5.492,3.756 ccw(c5.48,3.76) 5.493,3.76 cw(c7.148,3.752) 7.148,5.407 cw(c7.148,3.752) 7.18,5.407 ccw(c7.18,5.42) 7.183,5.407 23.627,5.407 ccw(c23.63,5.42) 23.63,5.407 cw(c23.665,3.644) 23.665,5.407 cw(c23.665,3.644) 25.427,3.653 cw(c23.665,3.644) 25.427,3.653 25.427,0 ccw(c25.44,0) 25.44,-0.013 30.505,-0.013 ccw(c30.505,0) 30.518,0 30.518,3.238 50.584,3.238 50.584,0 ccw(c50.597,0) 50.597,-0.013 52.152,-0.013 cw(c52.152,0) 52.152,-0.013 ccw(c52.152,3.048) 55.213,3.048 55.213,88.515 ccw(c55.2,88.515) 55.213,88.515 ccw(c55.2,88.515) 55.213,88.515 ccw(c52.126,88.515) 52.126,91.602 ccw(c52.126,91.589) 52.126,91.602 ccw(c52.126,91.589) 52.126,91.602 34.359,91.602 34.359,92.591 ccw(c34.346,92.594) 34.359,92.594 ccw(c33.846,92.597) 34.359,92.597 ccw(c33.846,92.597) 33.848,93.11 ccw(c33.848,93.097) 33.845,93.11 19.855,93.11 ccw(c19.853,93.097) 19.853,93.11 ccw(c19.855,92.597) 19.342,92.597 ccw(c19.355,92.594) 19.342,92.594 19.342,86.311 ccw(c18.529,86.374) 19.342,86.312 19.342,86.311 cw(c18.529,86.374) 18.566,85.56 cw(c18.529,86.374) 18.566,85.56 11.386,85.56 cw(c11.45,86.373) 10.635,86.336 ccw(c10.622,86.336) 10.635,86.338 ccw(c10.622,86.339) 10.635,86.339 10.635,90.253 ccw(c10.622,90.253) 10.635,90.254 ccw(c9.294,90.26) 10.635,90.26 ccw(c9.294,90.26) 9.299,91.602 ccw(c9.299,91.589) 9.299,91.602 3.021,91.602 ccw(c3.021,91.589) 3.01,91.597 ccw(c3,91.589) 3,91.602 ccw(c3,88.589) -0.013,88.589 ccw(c0,88.589) -0.013,88.588 -0.013,3.048 cw(c0,3.048) -0.013,3.048 cw(c0,3.048) -0.013,3.048 ccw(c3.048,3.048)
1V8 on Signal Layer 1 "SIG1 GND" (solid, remove dead copper, pour order 6): 3.048,-0.013 5.48,-0.013 ccw(c5.48,0) 5.493,0 5.493,3.752 ccw(c5.48,3.752) 5.492,3.756 ccw(c5.48,3.76) 5.493,3.76 cw(c7.148,3.752) 7.148,5.407 cw(c7.148,3.752) 7.18,5.407 ccw(c7.18,5.42) 7.183,5.407 23.627,5.407 ccw(c23.63,5.42) 23.63,5.407 cw(c23.665,3.644) 23.665,5.407 cw(c23.665,3.644) 25.427,3.653 cw(c23.665,3.644) 25.427,3.653 25.427,0 ccw(c25.44,0) 25.44,-0.013 30.505,-0.013 ccw(c30.505,0) 30.518,0 30.518,3.238 50.584,3.238 50.584,0 ccw(c50.597,0) 50.597,-0.013 52.152,-0.013 cw(c52.152,0) 52.152,-0.013 ccw(c52.152,3.048) 55.213,3.048 55.213,88.515 ccw(c55.2,88.515) 55.213,88.515 ccw(c55.2,88.515) 55.213,88.515 ccw(c52.126,88.515) 52.126,91.602 ccw(c52.126,91.589) 52.126,91.602 ccw(c52.126,91.589) 52.126,91.602 34.359,91.602 34.359,92.591 ccw(c34.346,92.594) 34.359,92.594 ccw(c33.846,92.597) 34.359,92.597 ccw(c33.846,92.597) 33.848,93.11 ccw(c33.848,93.097) 33.845,93.11 19.855,93.11 ccw(c19.853,93.097) 19.853,93.11 ccw(c19.855,92.597) 19.342,92.597 ccw(c19.355,92.594) 19.342,92.594 19.342,86.311 ccw(c18.529,86.374) 19.342,86.312 19.342,86.311 cw(c18.529,86.374) 18.566,85.56 cw(c18.529,86.374) 18.566,85.56 11.386,85.56 cw(c11.45,86.373) 10.635,86.336 ccw(c10.622,86.336) 10.635,86.338 ccw(c10.622,86.339) 10.635,86.339 10.635,90.253 ccw(c10.622,90.253) 10.635,90.254 ccw(c9.294,90.26) 10.635,90.26 ccw(c9.294,90.26) 9.299,91.602 ccw(c9.299,91.589) 9.299,91.602 3.021,91.602 ccw(c3.021,91.589) 3.01,91.597 ccw(c3,91.589) 3,91.602 ccw(c3,88.589) -0.013,88.589 ccw(c0,88.589) -0.013,88.588 -0.013,3.048 cw(c0,3.048) -0.013,3.048 cw(c0,3.048) -0.013,3.048 ccw(c3.048,3.048)
GND on Signal Layer 2 "SIG1 GND" (solid, remove dead copper, pour order 14): 3.069,-0.029 5.501,-0.029 ccw(c5.501,-0.015) 5.514,-0.015 5.514,3.737 ccw(c5.501,3.737) 5.513,3.741 ccw(c5.501,3.745) 5.514,3.745 cw(c7.168,3.737) 7.168,5.391 cw(c7.168,3.737) 7.201,5.391 ccw(c7.201,5.404) 7.204,5.391 23.648,5.391 ccw(c23.651,5.404) 23.651,5.391 cw(c23.686,3.629) 23.686,5.391 cw(c23.686,3.629) 25.448,3.638 cw(c23.686,3.629) 25.448,3.637 25.448,3.638 25.448,-0.015 ccw(c25.461,-0.015) 25.461,-0.029 30.526,-0.029 ccw(c30.526,-0.015) 30.539,-0.015 30.539,3.223 50.605,3.223 50.605,-0.015 ccw(c50.618,-0.015) 50.618,-0.029 52.173,-0.029 cw(c52.173,-0.015) 52.173,-0.029 ccw(c52.173,3.033) 55.234,3.033 55.234,88.499 ccw(c55.221,88.499) 55.234,88.499 ccw(c55.221,88.499) 55.234,88.499 ccw(c52.147,88.499) 52.147,91.586 ccw(c52.147,91.573) 52.147,91.586 ccw(c52.147,91.573) 52.147,91.586 34.38,91.586 34.38,92.576 ccw(c34.367,92.579) 34.38,92.579 ccw(c33.867,92.582) 34.38,92.582 ccw(c33.867,92.582) 33.869,93.095 ccw(c33.869,93.082) 33.866,93.094 19.876,93.094 ccw(c19.874,93.082) 19.874,93.095 ccw(c19.876,92.582) 19.363,92.581 ccw(c19.376,92.579) 19.363,92.579 19.363,86.296 ccw(c18.55,86.359) 19.363,86.296 cw(c18.55,86.359) 18.587,85.545 cw(c18.55,86.359) 18.587,85.545 11.407,85.545 cw(c11.47,86.357) 10.656,86.321 ccw(c10.643,86.32) 10.656,86.322 ccw(c10.643,86.324) 10.656,86.324 10.656,90.238 ccw(c10.643,90.238) 10.656,90.238 ccw(c9.315,90.245) 10.656,90.245 ccw(c9.315,90.245) 9.32,91.586 ccw(c9.32,91.573) 9.32,91.586 3.042,91.586 ccw(c3.042,91.573) 3.031,91.581 ccw(c3.021,91.573) 3.021,91.586 ccw(c3.021,88.573) 0.008,88.573 ccw(c0.021,88.573) 0.008,88.573 0.008,3.033 cw(c0.021,3.033) 0.008,3.033 cw(c0.021,3.033) 0.008,3.033 ccw(c3.069,3.033)

## Keep-outs
Keep-Out Layer:
  circle w0.178: c50.702,87.054 r1.95
  circle w0.178: c50.718,9.959 r2.05
  circle w0.178: c4.497,9.933 r2.05
  circle w0.178: c4.492,87.058 r1.95
  lines w0.025: 3,91.589 ccw(c3,88.589) 0,88.589 0,3.048 ccw(c3.048,3.048) 3.048,0 5.48,0 5.48,3.752 ; 3.021,91.589 9.299,91.589 cw(c9.294,90.26) 10.622,90.253 10.622,86.339 ; 5.48,3.76 cw(c7.148,3.752) 7.18,5.42 ; 7.148,5.42 23.665,5.42 ; 10.622,86.336 ccw(c11.45,86.373) 11.386,85.547 ; 11.354,85.547 18.566,85.547 ccw(c18.529,86.374) 19.355,86.311 19.355,92.594 ; 19.355,92.594 cw(c19.855,92.597) 19.853,93.097 33.848,93.097 cw(c33.846,92.597) 34.346,92.594 34.346,91.589 52.126,91.589 cw(c52.126,88.515) 55.2,88.515 55.2,3.048 cw(c52.152,3.048) 52.152,0 50.597,0 50.597,3.251 30.505,3.251 30.505,0 25.44,0 25.44,3.653 ccw(c23.665,3.644) 23.63,5.42

## Other copper
Top Layer:
  pour cut-out: 31.923,36.816 cw(c31.923,36.88) 31.859,36.88 31.859,38.93 cw(c31.923,38.93) 31.923,38.994 33.973,38.994 cw(c33.973,38.93) 34.037,38.93 34.037,36.88 cw(c33.973,36.88) 33.973,36.816
  region net NetD1_2: 48.304,17.95 cw(c48.304,17.754) 48.5,17.754 48.5,15.361 cw(c48.3,15.361) 48.3,15.161 47.561,15.161 ccw(c47.561,14.7) 47.1,14.7 47.1,13.284 cw(c46.782,13.284) 46.782,12.966 45.441,12.966 cw(c45.441,13.1) 45.307,13.1 45.307,14.712 ccw(c44.915,14.712) 44.915,15.105 44.021,15.105 cw(c44.021,15.4) 43.725,15.4 43.725,17.775 cw(c43.9,17.775) 43.9,17.95
  region net VIN: 45.507,9.3 45.507,8.739 ccw(c45.812,8.739) 45.812,8.433 47.751,8.433 ccw(c47.751,8.632) 47.95,8.632 47.95,10.316 ccw(c47.466,10.316) 47.466,10.8 45.712,10.8 ccw(c45.712,10.6) 45.513,10.6 45.513,10.4
  region net NetC2_2: 47.812,36.977 47.812,41.852 48.018,42.058 54.335,42.058 54.461,41.932 54.461,37.309 54.007,36.855 48.076,36.855
  region net V_CUTOFF: 43.907,25.177 45.041,24.043 45.041,22.708 43.886,22.708 43.725,22.869 43.725,23.648
  region net V_CHECK: 46.589,29.99 48.672,29.99 48.978,29.684 48.978,27.057 48.018,27.057 47.943,27.132 47.943,28.769 47.609,29.103 47.174,29.103
  region net V_CHECK: 47.613,24.654 47.613,25.087 49.076,26.55 48.288,27.338 48.018,27.338 46.868,26.188 46.868,26.095
  pour cut-out: 11.628,93.693 11.628,85.535 9.218,83.125 -2.275,83.125 -2.275,93.693
  pour cut-out: 2.194,93.259 2.194,64.777 9.294,64.777 9.294,93.273 9.218,93.273
  region net 4V: 15.064,52.175 15.064,54.09 15.523,54.55 16.714,54.55 17.196,54.068 17.196,53.222 17.31,53.108 27.575,53.108 32.429,48.254 50.495,48.254 53.517,45.232 53.815,44.251 50.786,44.66 50.089,44.66 49.076,44.522 49.076,45.002 47.2,46.878 31.056,46.878 26.244,51.69 15.549,51.69
  pour cut-out: 43.773,17.895 43.773,20.58 48.507,20.58 48.507,17.895
  pour cut-out: -0.5,54.185 8.001,54.185 8.001,92.1 -0.5,92.1
  pour cut-out: -0.076,13.792 15.672,13.792 15.672,43.129 -0.076,43.129
Signal Layer 1:
  pour cut-out: 31.923,36.807 cw(c31.923,36.871) 31.859,36.871 31.859,38.921 cw(c31.923,38.921) 31.923,38.985 33.973,38.985 cw(c33.973,38.921) 34.037,38.921 34.037,36.871 cw(c33.973,36.871) 33.973,36.807
  pour cut-out: 39.419,72.381 ccw(c41.178,72.381) 41.178,70.622 ccw(c41.178,72.381) 42.936,72.381 ccw(c41.178,72.381) 41.178,74.139 ccw(c41.178,72.381)
  pour cut-out: 11.633,93.699 11.633,85.541 9.223,83.131 -2.27,83.131 -2.27,93.699
  pour cut-out: 2.2,64.812 9.299,64.812 9.299,93.27 2.2,93.27
  pour cut-out: -0.5,54.185 7.995,54.185 7.995,92.1 -0.5,92.1
  pour cut-out: -0.076,13.792 15.672,13.792 15.672,43.129 -0.076,43.129
Signal Layer 2:
  pour cut-out: 31.924,36.819 cw(c31.924,36.883) 31.86,36.883 31.86,38.933 cw(c31.924,38.933) 31.924,38.997 33.974,38.997 cw(c33.974,38.933) 34.038,38.933 34.038,36.883 cw(c33.974,36.883) 33.974,36.819
  pour cut-out: 11.628,93.693 11.628,85.535 9.218,83.125 -2.275,83.125 -2.275,93.693
  pour cut-out: 2.2,64.732 9.299,64.732 9.299,93.27 2.2,93.27
  pour cut-out: -0.076,13.792 15.672,13.792 15.672,43.129 -0.076,43.129
  pour cut-out: -0.5,54.185 8.022,54.185 8.022,92.1 -0.5,92.1
Bottom Layer:
  pour cut-out: 33.975,36.815 ccw(c33.975,36.879) 34.039,36.879 34.039,38.929 ccw(c33.975,38.929) 33.975,38.993 31.925,38.993 ccw(c31.925,38.929) 31.861,38.929 31.861,36.879 ccw(c31.925,36.879) 31.925,36.815
  region net VIN: 47.466,10.8 cw(c47.466,10.316) 47.95,10.316 47.95,4.537 cw(c47.613,4.537) 47.612,4.2 46,4.2 cw(c46,4.7) 45.5,4.7 45.5,10.588 cw(c45.712,10.587) 45.712,10.8
  region net 1V8: 30.205,72.716 30.285,72.636 30.285,71.526 30.162,71.403 29.093,71.403 28.95,71.546 28.95,72.591 29.075,72.716
  pour cut-out: 11.633,93.699 11.633,85.541 9.223,83.131 -2.27,83.131 -2.27,93.699
  region net 1V8: 10.419,49.932 11.877,49.932 11.93,49.985 11.931,50.54 11.883,50.587 10.403,50.587 10.336,50.52 10.336,50.015
  region net 4V: 14.811,54.517 16.713,54.517 16.771,54.459 16.771,51.946 16.575,51.75 15.206,51.75 14.811,52.145
  pour cut-out: 2.2,64.803 9.299,64.803 9.299,93.27 2.2,93.27
  pour cut-out: -0.5,54.185 7.978,54.185 7.978,92.1 -0.5,92.1
  pour cut-out: -0.076,13.792 15.672,13.792 15.672,43.129 -0.076,43.129

## Silkscreen, mask and mechanical layers (free items; w line width, h text height)
Top Overlay:
  text "GND" at 42.617,55.422 h1.2 r270
  text "DN" at 45.218,55.203 h1.2 r270
  text "DP" at 47.784,55.203 h1.2 r270
  text "VB" at 50.392,55.203 h1.2 r270
  text "VNGS01 V1.32" at 9.631,21.434 h1.2 r90
  text "ALT1" at 42.587,8.859 h1.2
  text "ADC" at 42.755,7.671 h1.2
  text "RX" at 33.222,7.583 h1.2
  text "ENG" at 35.557,7.601 h1.2
  text "GND" at 45.93,7.6 h1.2
Bottom Overlay:
  text "VB" at 50.444,48.98 h1 r270
  text "DP" at 48.285,48.881 h1 r270
  text "DN" at 45.107,48.484 h1 r270
  text "GND" at 42.351,47.888 h1 r270
  text "ALT2" at 38.508,9.189 h1
  text "TX" at 35.02,7.82 h1
  text "ACC" at 45.6,7.83 h1
  text "VIN" at 48.09,7.81 h1
  text "V_SEN" at 38.508,7.75 h1

## Text inside footprints (layer, text, board x,y; h text height)
C4: Top Overlay "+" at 36.918,49.259 h1.2 r270
C13: Top Overlay "+" at 27.757,50.534 h1.2 r90
COM1: Top Overlay "1" at 8.153,7.671 h1.2 r180; Top Overlay "5" at 23.266,7.671 h1.2 r180; Top Overlay "SMD COM9M" at 19.863,2.391 h1.2 r180; Mechanical 13 "SMD COM9M" at 19.863,2.391 h1.2 r180